# Altium PCB X3_Developer_RF.PcbDoc (continued)
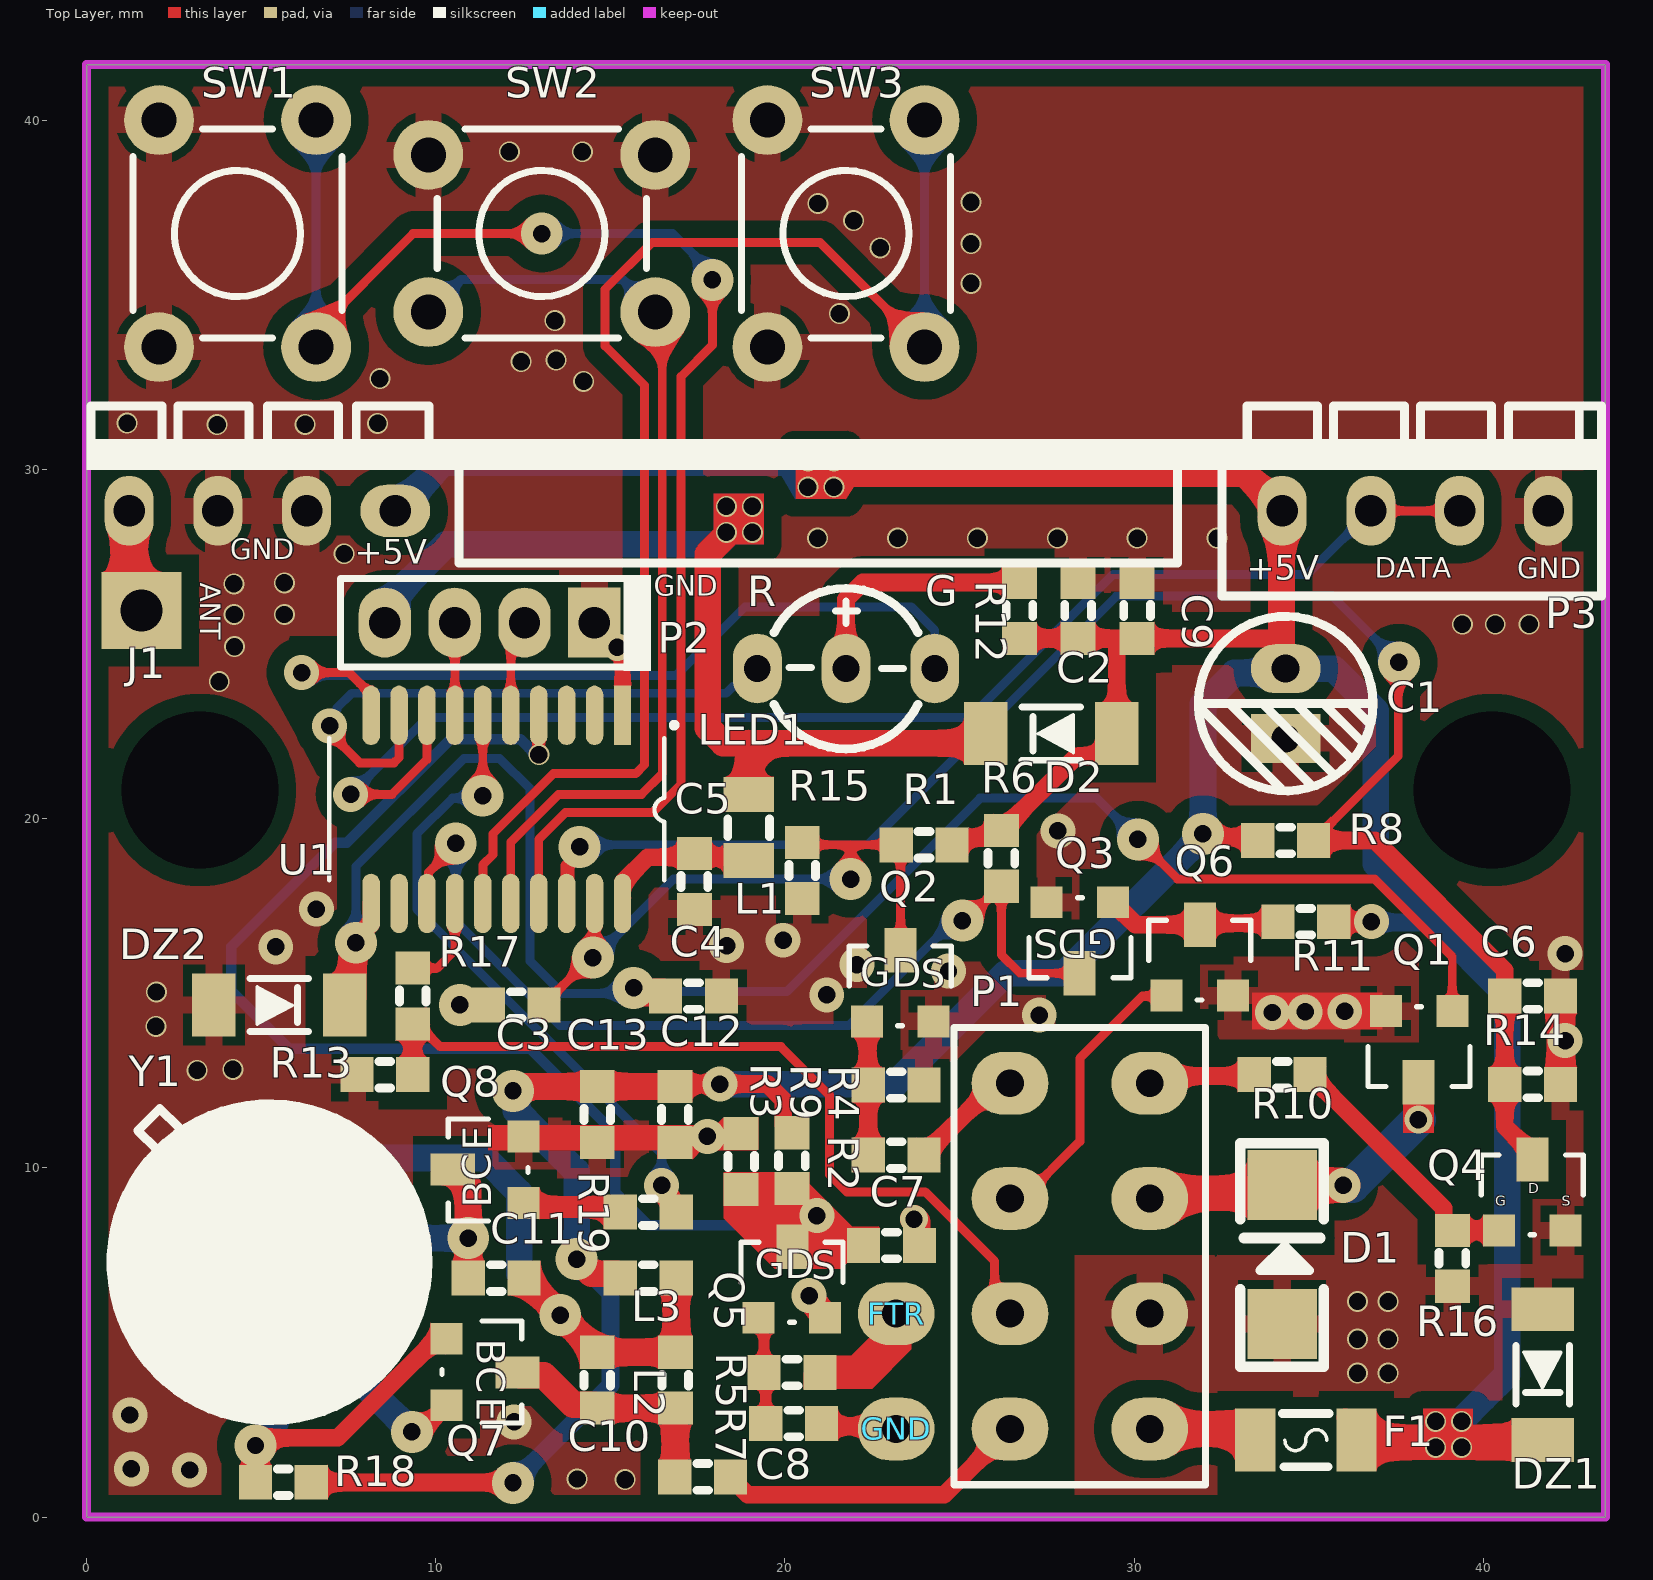
[diagram p0: Top Layer view]
## Part data
C1: library part Cap_Electrical
C2 C3 C4 C5 C6 C7 C8 C9 C10 C11 C12 C13: library part Cap
D1 D2: library part Diode
  D1: Component ID=000448
DZ1 DZ2: library part Diode_Zener
F1: library part FUSE
J1: library part Socket, "Socket", LatestRevisionDate=17-Jul-2002, LatestRevisionNote="Re-released for DXP Platform.", Publisher="Altium Limited"
L1 L2 L3: library part Inductor
LED1: library part LED_ComA
P1: library part "Header 8", "Header, 4-Pin", LatestRevisionDate=17-Jul-2002, LatestRevisionNote="Re-released for DXP Platform.", Publisher="Altium Limited"
P2: library part "Header 4", LatestRevisionDate=17-Jul-2002, LatestRevisionNote="Re-released for DXP Platform.", Publisher="Altium Limited"
P3: library part RXB6, "Receiver_315", LatestRevisionDate=17-Jul-2002, LatestRevisionNote="Re-released for DXP Platform.", Publisher="Altium Limited"
Q1 Q6: library part NPN_Digital, Component ID=000498
Q2 Q3 Q4: library part MOSFET_N, ComponentLink1Description="Manufacturer Link", ComponentLink1URL=http://www.irf.com/, ComponentLink2Description=Datasheet, ComponentLink2URL=http://www.irf.com/product-info/datasheets/data/irf2807.pdf, DatasheetVersion=May-1998, LatestRevisionDate=17-Jul-2002, LatestRevisionNote="Re-released for DXP Platform.", Note="Pin 2 is electrically connected to pin 4.", PackageDescription="TO, Thru-Hole, Vertical, Heatsink Mounted; 3 In-Line Leads; Pitch 2.54 mm", PackageReference=TO-220AB, PackageVersion=Feb-1997, Published=8-Jun-2000, Publisher="Altium Limited", Sim Note="Thermal Model provided is not called on from main Subckt."
  Q3: Component ID=002048
Q5: library part MOSFET_N, "Si2302CDS_SOT23", ComponentLink1Description="Manufacturer Link", ComponentLink1URL=http://www.irf.com/, ComponentLink2Description=Datasheet, ComponentLink2URL=http://www.irf.com/product-info/datasheets/data/irf2807.pdf, DatasheetVersion=May-1998, LatestRevisionDate=17-Jul-2002, LatestRevisionNote="Re-released for DXP Platform.", Note="Pin 2 is electrically connected to pin 4.", PackageDescription="TO, Thru-Hole, Vertical, Heatsink Mounted; 3 In-Line Leads; Pitch 2.54 mm", PackageReference=TO-220AB, PackageVersion=Feb-1997, Published=8-Jun-2000, Publisher="Altium Limited", Sim Note="Thermal Model provided is not called on from main Subckt."
Q7 Q8: library part NPN
R1 R2 R3 R4 R5 R6 R7 R8 R9 R10 R11 R12 R13 R14 R15 R16 R17 R18 R19: library part RES
  R6 R11: Component ID=000091
  R13: Component ID=000098
  R17: Component ID=000154
SW1: library part SW
SW2 SW3: library part SW_Right
U1: library part HT66F019
Y1: library part Saw_Filter, "SAWFILTER"
FTR GND: MANF=MANF, MANF_P#=MANF_P#

## Free pads (board coordinates)
  round 0 hole 4.5: 4(40.25,20.82) 5(3.25,20.82)

## Via types
v1: diameter 0.6, hole 0.5, Top Layer to Bottom Layer, tented both sides, 59 vias
v2: diameter 1, hole 0.5, Top Layer to Bottom Layer, tented both sides, 28 vias
v3: diameter 1.2, hole 0.5, Top Layer to Bottom Layer, tented both sides, 21 vias
v4: diameter 0.8, hole 0.5, Top Layer to Bottom Layer, tented both sides, 3 vias

## Nets (pads, with @x,y where several pads share a name; then routed paths per layer and width w, separated by ;. In a path a pad name is that pad's centre, name@x,y a point inside that pad or via, vN(x,y) a via of type N, cw(c..) or ccw(c..) an arc to the next point about the centre after c; other vN are vias at no path point)
ANT1: C8.2 P1.7 | length 9
  Top Layer w0.5: C8.2 18.444,1.129 18.937,0.636 24.559,0.636 P1.7
DATA_IN: P3.6 P3.7 U1.8 | length 41.5
  Top Layer w0.254: v2(7.564,20.7) 8.749,20.7 9.75,21.7 U1.8 ; P3.6 P3.7
  Bottom Layer w0.254: v2(7.564,20.7) 9.762,22.897 25.299,22.897 29.402,27 34.962,27 P3.6 P3.7
DATA_OUT: R19.1 U1.6 | length 18.5
  Top Layer w0.254: v3(11.343,20.659) 11.346,20.663 11.346,22.958 U1.6
  Top Layer w0.7: v2(16.472,9.504) R19.1
  Bottom Layer w0.254: v3(11.343,20.659) 11.277,20.593 10.486,20.593 9.46,19.567 9.46,17.413 16.472,10.402 v2(16.472,9.504)
FLASHER_INPUT: C7.2 Q5.3 R3.1 R9.2 U1.4 | length 34.5
  Top Layer w0.3: U1.4 U1.4 12.951,21.837 v1(12.952,21.836)
  Bottom Layer w0.3: v1(12.952,21.836) 12.871,21.836 12.423,22.284 10.427,22.284 7.454,19.311 7.122,19.311 4.148,16.337 4.148,15.068 5.798,13.419 12.703,13.419 15.143,10.979 15.143,9.298 16.086,8.355 20.445,8.355 20.726,8.635 v2(20.915,8.635)
GND: C1.2 C2.1 C3.1 C4.1 C5.1 C6.1 C7.1 C9.1 C12.1 C13.1 D1.1 DZ1.1 DZ2.1 GND.1 P1.6 P2.4 P3.2 P3.3 P3.8 Q1.2 Q2.2 Q3.2 Q4.2 Q5.2 Q6.2 Q8.2 R3.2 R4.2 R7.2 R13.1 R14.2 R15.2 R16.2 SW1.1 SW2.1 SW3.1 U1.1 | length 11.1
  Top Layer w0.457: P2.4 P2.4@14.542,25.341 ; v4(15.199,24.911) P2.4@14.998,24.911 ; U1.1 15.349,24.561 P2.4@14.998,24.911 ; P2.4@14.542,25.341 P2.4@14.721,25.162 ; P2.4@14.542,25.341 14.542,25.162 P2.4@14.721,25.162 ; P2.4@14.721,25.162 14.971,24.911 P2.4@14.998,24.911 ; P2.4@14.721,25.162 14.748,25.162 P2.4@14.998,24.911
  Top Layer w0.508: v3(10.694,14.671) 10.697,14.668 11.501,14.668 C3.1 ; R3.2@18.724,10.983 R3.2 ; R7.2 21.128,2.603 23.11,2.603 GND.1 ; C6.1 C6.1@42.221,14.917
  Top Layer w0.8: v2(20.691,6.342) Q5.2 ; v4(23.697,8.532) 23.776,8.454 23.776,7.855 C7.1 ; R14.2 42.214,14.91 C6.1@42.221,14.917
  other v1: 14.047,1.092 15.424,1.072 36.398,4.123 37.278,4.123 36.398,5.1 37.278,5.1 36.398,6.176 37.278,6.176 3.165,12.793 4.19,12.82 1.986,14.057 1.998,15.039 3.801,23.928 4.237,24.929 39.402,25.571 40.344,25.571 41.315,25.571 4.228,25.85 5.664,25.85 4.219,26.726 5.664,26.753 7.378,27.59 20.939,28.036 23.226,28.036 25.513,28.036 27.8,28.036 30.088,28.036 32.375,28.036 3.742,31.29 6.258,31.296 1.16,31.333 8.336,31.323 14.235,32.528 8.399,32.606 12.447,33.09 13.45,33.136 13.415,34.269 21.561,34.465 25.33,35.334 22.726,36.349 25.33,36.473 21.97,37.131 20.944,37.62 25.33,37.657 12.108,39.103 14.203,39.103
  other v2: 2.952,1.351 1.285,1.381 12.247,2.727 1.244,2.925 17.78,10.906 42.346,13.648 27.285,14.375 33.956,14.452 34.897,14.47 36.034,14.484 21.199,14.957 24.685,15.639 22.063,15.821 42.346,16.139 5.42,16.33 18.329,16.367 19.948,16.522 6.585,17.41 27.816,19.652
LED1: LED1.2 U1.10 | length 22.7
  Top Layer w0.254: v2(6.158,24.186) 7.52,24.186 8.15,23.556 U1.10
  Bottom Layer w0.254: v2(6.158,24.186) 6.239,24.105 16.892,24.105 18.858,26.07 23.616,26.07 24.29,25.395 LED1.2@24.29,24.785
LED2: LED1.1 U1.9 | length 17
  Top Layer w0.254: v2(6.963,22.662) 6.963,22.46 7.465,21.958 7.821,21.601 8.801,21.601 8.95,21.75 U1.9
  Bottom Layer w0.254: v2(6.963,22.662) 6.963,22.918 7.17,23.125 7.17,23.172 7.595,23.597 18.321,23.597 18.508,23.783 18.681,23.783 19.075,24.178 19.075,24.35 LED1.1@19.21,24.35
"LOCK TRIG": P1.2 R10.2 | length 3.1
  Top Layer w0.508: P1.2 30.655,12.633 R10.2@33.426,12.633
"LOCK TRIG_INPUT": C6.2 Q4.3 R8.2 R14.1 U1.18 | length 47.9
  Top Layer w0.254: R8.2 35.142,19.402 35.49,19.75 35.515,19.75 37.564,21.798 37.564,24.456 v3(37.584,24.476)
  Top Layer w0.4: U1.18 13.769,17.596 13.769,18.644 14.119,18.994 v3(14.119,19.193)
  Top Layer w0.508: R8.2 36.901,19.377 40.614,15.664 R14.1 40.614,11.194 41.184,10.625 41.211,10.625 41.414,10.422 Q4.3
  Bottom Layer w0.254: v3(14.119,19.193) 14.18,19.255 22.375,19.255 29.501,26.381 35.68,26.381 v3(37.584,24.476)
M.VCC: C5.2 L1.2 U1.20 | length 4.1
  Top Layer w0.5: U1.20 15.349,18.177 16.075,18.903 17.129,18.903 17.407,18.903 17.736,18.903 18.426,18.903 L1.2@18.529,18.8
NetC8_1: C8.1 C10.2 L2.2 Q7.3 | length 6.9
  Top Layer w0.762: Q7.3 12.416,4.067 13.091,4.067 13.943,3.215 14.532,3.215 C10.2 L2.2 C8.1@16.861,1.172
NetC10_1: C10.1 C11.2 L2.1 L3.2 Y1.1 | length 22.2
  Top Layer w0.762: C11.2@12.628,6.727 v3(13.568,5.787) C10.1@14.507,4.848 ; C10.1 L2.1 ; L2.1@16.886,4.746 L3.2
  Bottom Layer w0.762: Y1.1 5.711,10.284 11.409,10.284 12.392,9.301 12.392,6.963 v3(13.568,5.787)
NetC11_1: C11.1 Q7.2 Q8.3 Y1.3 | length 12.5
  Top Layer w0.508: v3@9.68,2.575 Q7.2
  Top Layer w0.762: Q8.3@10.74,9.702 10.932,9.509 v3(10.932,7.989) C11.1
  Bottom Layer w0.762: v3@9.307,2.443 8.024,3.726 Y1.3 8.494,7.389 9.095,7.989 v3(10.932,7.989)
  other v3: 9.319,2.443
NetF1_1: F1.1 P1.8 | length 3.3
  Top Layer w1: P1.8 33.395,2.526 33.47,2.451 F1.1
NetFTR_1: FTR.1 R5.2
NetJ1_1: J1.1 P3.1 | length 5
  Top Layer w1.016: J1.1@1.221,26.319 P3.1
  Bottom Layer w1.016: J1.1@1.221,26.319 P3.1
NetLED1_3: LED1.3 R12.2 | length 6.9
  Top Layer w0.508: LED1.3@21.75,24.569 21.75,26.284 22.232,26.766 R12.2
NetQ2_1: Q2.1 R2.1 R4.1 | length 3.8
  Top Layer w0.508: Q2.1 22.367,14.179 22.367,12.394 R4.1 R2.1
NetQ3_1: Q3.1 Q6.3 R11.1 | length 5
  Top Layer w0.508: Q3.1 30.044,16.967 Q6.3 31.932,17.009 34.078,17.009 R11.1
NetQ4_1: Q4.1 R10.1 R16.1 | length 7.5
  Top Layer w0.508: R10.1 35.041,12.646 35.262,12.425 35.287,12.425 38.868,8.845 38.868,8.433 R16.1@39.089,8.212 ; R16.1 R16.1@39.089,8.212 ; Q4.1 39.294,8.212 R16.1@39.089,8.212
NetQ5_1: Q5.1 R5.1 R7.1 | length 3.1
  Top Layer w0.3: Q5.1 19.402,5.559 R5.1 19.451,4.094 R7.1
NetQ7_1: Q7.1 R18.1 Y1.2 | length 10.3
  Top Layer w0.508: v3@5.064,2.277 7.193,2.277 Q7.1@10.159,5.242
  Top Layer w0.762: R18.1 v3@4.839,2.051
  Bottom Layer w0.762: v3(4.839,2.051) 4.839,2.136 5.42,2.717 Y1.2
NetQ8_1: Q8.1 R19.2 | length 2.5
  Top Layer w0.635: Q8.1@12.643,8.878 R19.2@15.144,8.878
PA0/ICPDA: P2.3 U1.5 | length 2.3
  Top Layer w0.254: U1.5@12.15,23 P2.3@12.15,25.29
PA2/ICPCK: P2.2 U1.7 | length 2.7
  Top Layer w0.254: P2.2 10.55,25.61 U1.7
RX: Q3.3 R6.1 U1.13 | length 27.2
  Top Layer w0.254: U1.13 9.797,17.624 9.797,18.465 10.573,19.242 v3(10.573,19.293) ; v3(25.083,17.083) 25.19,17.083 26.175,18.069 R6.1 26.2,16.111 26.734,15.577 Q3.3
  Bottom Layer w0.254: v3(10.573,19.293) 10.573,17.062 13.559,14.076 21.82,14.076 24.828,17.083 v3(25.083,17.083)
RX_OUT: P1.3 Q6.1 | length 8.3
  Top Layer w0.254: P1.3 26.815,9.126 28.449,10.761 28.449,13.136 30.235,14.922 30.912,14.922 Q6.1
SW1: SW1.2 U1.17 | length 41.5
  Top Layer w0.254: SW1.2@6.576,33.51 6.576,33.982 9.354,36.76 v3(13.038,36.76) ; U1.17 12.95,19.412 13.715,20.177 16.206,20.177 17.026,20.997 17.026,32.665 17.924,33.563 v3(17.924,35.431)
  Bottom Layer w0.254: SW1.2@6.576,33.51 SW1.2@6.576,40.01 ; v3(13.038,36.76) 16.783,36.76 17.924,35.618 v3(17.924,35.431)
SW2: SW2.2 U1.16 | length 27.5
  Top Layer w0.254: U1.16 12.15,19.33 13.519,20.7 15.894,20.7 16.488,21.294 16.488,34.31 SW2.2@16.288,34.51
  Bottom Layer w0.254: SW2.2@9.788,34.51 10.721,35.443 15.355,35.443 SW2.2@16.288,34.51
SW3: SW3.2 U1.15 | length 38.8
  Top Layer w0.254: U1.15 11.35,18.682 11.642,18.974 11.642,19.571 13.365,21.294 15.728,21.294 15.98,21.546 15.98,32.411 14.848,33.543 14.848,35.16 16.188,36.499 21.011,36.499 SW3.2@24,33.51
  Bottom Layer w0.254: SW3.2@24,33.51 SW3.2@24,40.01
TRUNK: D1.2 P1.4 Q1.3 | length 8.6
  Top Layer w1: P1.4 30.602,9.279 34.011,9.279 D1.2 34.247,9.504 v2(35.989,9.504)
  Bottom Layer w1: v2(35.989,9.504) 36.257,9.504 v4(38.14,11.387)
TRUNK_OUTPUT: C4.2 DZ2.2 Q1.1 U1.11 | length 50.5
  Top Layer w0.254: v3(30.111,19.411) 31.244,18.278 36.883,18.278 39.114,16.047 Q1.1
  Top Layer w0.5: v3(7.716,16.449) 7.716,16.544 8.15,16.977 U1.11
  Top Layer w0.8: DZ2.2 7.622,14.89 7.622,16.246 7.716,16.34 v3(7.716,16.449) ; v3(15.667,15.156) 15.775,15.156 15.907,15.024 16.509,15.024 16.584,14.949 C4.2
  Bottom Layer w0.254: v3(7.716,16.449) 7.716,18.638 10.801,21.723 11.835,21.723 12.703,20.855 12.703,15.922 13.625,15 15.573,15 v3@15.667,15.094 ; v3@15.772,15.051 20.047,15.051 25.589,20.593 28.928,20.593 v3(30.111,19.411)
TX: R17.1 U1.14 | length 2.8
  Top Layer w0.254: R17.1 10.043,15.724 10.55,16.231 U1.14 U1.14@10.538,17.565
TX_OUT: P1.5 R13.2 R17.2 | length 24.4
  Top Layer w0.254: R17.2 9.368,14.124 R17.2@9.423,14.179 ; R17.2@9.716,14.472 R17.2@9.423,14.179 ; P1.5 26.004,6.272 26.004,7.33 24.02,9.313 21.775,9.313 21.275,9.814 21.275,12.087 19.887,13.475 10.126,13.475 R17.2@9.423,14.179
  Top Layer w0.5: R13.2 R17.2
"UNLOCK TRIG": P1.1 R2.2 | length 3.3
  Top Layer w0.508: R2.2@24.106,10.487 P1.1@26.045,12.426
  Top Layer w0.762: R2.2 23.987,10.393 24.081,10.487 R2.2@24.106,10.487 ; P1.1@26.045,12.426 P1.1
"UNLOCK TRIG_INPUT": C3.2 Q2.3 R1.2 R15.1 U1.19 | length 18.5
  Top Layer w0.254: C3.2 13.105,14.69 14.438,16.023 v3(14.5,16.023) ; v3@14.53,16.001 14.54,16.01 14.54,17.567 U1.19 ; R15.1@20.222,19.16 R15.1@20.251,19.131 ; R15.1@20.498,19.255 21.883,19.255 ; v3(21.883,18.274) 21.883,19.255 ; R1.2@22.852,19.255 21.883,19.255 ; Q2.3 R1.2@23.313,19.515
  Bottom Layer w0.254: v3(14.5,16.023) 14.553,16.023 16.803,18.274 v3(21.883,18.274)
VCC: C1.1 C2.2 C9.2 C12.2 C13.2 D2.1 DZ1.2 F1.2 L3.1 P3.4 P3.5 R1.1 R6.2 R8.1 R9.1 R11.2 R12.1 R18.2 | length 136.6
  Top Layer w0.508: R18.2 6.448,0.991 12.204,0.991 v3(12.213,0.981) ; 16.288,12.333 16.358,12.403 v2(18.137,12.403) 19.5,12.403 19.955,11.948 19.955,11.229 20.176,11.008 R9.1 ; R1.1 24.994,19.462 25.993,19.462 R6.2 ; R6.2@26.213,19.656 28.349,21.792 29.134,21.792 29.505,22.163 D2.1 29.505,25.059 29.398,25.166 ; R12.1 C2.2 29.398,25.166 ; v3(31.973,19.567) 32.068,19.472 33.447,19.472 R8.1 ; 34.221,25.29 34.097,25.166 C9.2 29.398,25.166 ; R11.2 35.721,17.053 36.796,17.053 v2(36.797,17.054) ; F1.2@36.049,2.853 36.37,2.532 36.37,2.249 F1.2
  Top Layer w0.762: v3(12.213,12.207) 12.332,12.207 12.457,12.333 16.288,12.333 ; v3(14.037,7.389) 14.461,6.965 L3.1@15.192,6.965 ; 20.998,29.879 33.181,29.879 33.622,29.438 33.75,29.438 34.241,28.947 P3.5 34.221,28.799 34.221,25.29 34.221,24.42 C1.1
  Top Layer w1.016: F1.2@36.355,2.076 36.422,2.143 38.635,2.143 39.379,2.143 41.64,2.143 DZ1.2
  Bottom Layer w0.508: v3(12.213,0.981) 15.007,3.775 15.007,6.419 v3(14.037,7.389) ; v2@36.775,17.032 v2(36.797,17.054) ; v2@36.797,17.032 38.608,17.032 38.616,17.024
  Bottom Layer w0.762: P3.4 8.892,28.819 9.46,29.388 9.46,29.438 10.216,30.194 v1@20.612,30.194 ; v3(12.213,12.207) 12.297,12.123 12.297,11.642 14.037,9.902 v3(14.037,7.389) ; v2(18.137,12.403) 23.155,12.403 26.333,15.58 28.027,15.58 31.973,19.526 v3(31.973,19.567) 31.973,23.279 32.871,24.177 34.22,24.177 C1.1 34.345,24.296 35.722,24.296 36.924,23.093 36.924,18.716 38.608,17.032 ; 38.616,17.024 40.682,14.958 40.682,4.075 40.014,3.408 v1@39.347,2.741
  other v1: 38.635,1.997 39.379,1.997 38.635,2.741 39.379,2.741 20.661,29.498 21.405,29.498 20.661,30.242 21.405,30.242
VCC.PRO: D2.2 L1.1 P2.1 | length 27.5
  Top Layer w0.762: v1@18.529,28.321 17.788,27.58 17.788,22.609 18.235,22.163 18.668,22.163 18.961,22.163 ; L1.1 18.961,22.163 ; D2.2 25.755,22.407 25.511,22.163 18.961,22.163
  Bottom Layer w0.762: P2.1 8.911,25.987 P2.1@8.911,26.473 ; P2.1@8.657,26.219 10.295,27.856 18.065,27.856 v1@18.523,28.315
  other v1: 18.324,28.203 19.068,28.203 18.324,28.947 19.068,28.947
pads on no net: U1.2 U1.3 U1.12

## Polygon pours and split planes (outlines as drawn)
GND on Top Layer "TOP POLY" (solid, remove dead copper, pour order 0): 0,0 0,41.6 43.5,41.6 43.5,0
GND on Bottom Layer "BOT POLY" (solid, remove dead copper, pour order 1): -0.038,0 -0.038,41.6 43.462,41.6 43.462,0

## Keep-outs
Keep-Out Layer:
  lines w0.254: 0,0 43.5,0 43.5,41.6 0.005,41.6 0,41.6 0,0

## Other copper
Top Layer:
  rectangle net TRUNK: 37.701,11.008 38.585,12.52
  rectangle net GND: 33.38,13.96 37.121,15.024
  rectangle net GND: 11.494,10.505 19.201,11.229
  rectangle net GND: 11.71,11.219 19.201,11.229
  rectangle net VCC: 38.272,1.65 39.713,3.106
  rectangle net VCC: 20.298,29.152 21.739,30.607
  rectangle net VCC.PRO: 17.961,27.856 19.402,29.311
  pour cut-out: 32.387,0.799 32.386,0.798 32.386,0.611 32.635,0.611 32.653,0.593 32.653,0.83
  pour cut-out: 40.55,5.079 40.546,5.075 40.546,3.348 40.784,3.348 40.908,3.348 42.887,3.348 42.887,5.075
  pour cut-out: 32.403,7.51 32.418,7.495 35.75,7.495 35.75,7.979 35.767,7.996 35.738,8.025 32.369,8.025
  pour cut-out: 35.272,3.442 31.898,3.442 31.887,3.431 31.887,3.248 35.268,3.248 35.273,3.252
  pour cut-out: 37.183,13.602 37.181,13.604 36.015,13.604 36.015,13.265 35.989,13.24 37.184,13.24
  pour cut-out: 38.148,15.456 38.148,16.33 38.478,16.001 38.478,15.456
  pour cut-out: 27.508,17.145 27.524,17.129 28.597,17.129 28.597,16.952 28.54,17.009 27.497,17.009
  pour cut-out: 7.176,19.106 7.164,19.118 7.164,19.943 7.477,19.943 7.536,19.884 7.494,19.843 7.494,19.206
  pour cut-out: 6.595,21.265 5.243,23.76 5.482,24.178 6.739,21.625
  pour cut-out: 24.257,15.824 24.283,15.824 24.558,16.099 24.75,15.908 25.626,15.908 25.626,16.157 25.57,16.213 25.513,16.156 24.287,16.156
  pour cut-out: 20.273,14.107 20.288,14.122 21.39,14.122 21.39,13.738 21.362,13.71 21.259,13.814 20.743,13.814
  region net NetFTR_1: 20.559,4.626 20.563,4.622 21.903,4.622 22.837,5.556 22.833,5.56 22.833,6.162 23.575,6.162 23.603,6.189 23.626,6.167 23.626,4.803 22.503,3.68 20.54,3.68
  pour cut-out: 22.812,3.412 22.819,3.405 23.585,3.405 23.585,3.709 23.55,3.743 23.523,3.716 22.792,3.716
  region net FLASHER_INPUT: 18.251,9.883 18.251,8.564 19.705,7.11 21.61,7.11 21.791,7.291 22.72,7.291 22.72,8.268 22.726,8.274 22.675,8.325 21.93,8.321 21.745,8.506 20.703,9.548 20.703,9.879
  region net GND: 16.354,11.205 16.357,11.208 18,11.208 18.247,11.455 18.256,11.446 19.239,11.446 19.239,10.539 19.215,10.516 17.616,10.516 17.355,10.254 17.351,10.258 16.346,10.258
  pour cut-out: 13.188,15.673 13.185,15.675 13.185,16.086 13.491,16.086 13.502,16.075 13.502,15.68
  pour cut-out: 10.914,16.079 13.418,16.079 13.422,16.075 13.424,16.078 13.424,16.33 10.901,16.33 10.899,16.332
  pour cut-out: 38.667,7.244 38.667,8.02 38.914,8.02 38.924,7.248 38.914,7.238
  pour cut-out: 37.438,3.442 37.458,3.423 37.874,3.423 37.874,3.16 37.88,3.154 37.435,3.154
  pour cut-out: 39.631,11.386 39.484,11.239 39.484,9.177 39.89,9.177 39.941,9.228 39.851,9.318 39.851,11.386
  pour cut-out: 29.638,19.215 29.638,18.566 30.149,18.566 30.149,19.037 30.13,19.055
  pour cut-out: 29.148,26.452 29.169,26.473 29.339,26.473 29.339,26.149 29.378,26.11 29.367,26.1 29.141,26.1
  pour cut-out: 30.268,24.183 30.285,24.166 30.638,24.166 30.638,23.846 30.268,23.846
  pour cut-out: 6.808,22.651 6.808,21.29 6.829,21.269 7.053,21.269 7.053,22.406 6.976,22.483
  pour cut-out: 7.31,19.229 7.173,19.091 7.173,15.665 7.519,15.665 7.484,15.699 7.484,19.229
  pour cut-out: 33.137,16.044 33.131,16.05 32.841,16.05 32.841,16.275 32.809,16.307
  pour cut-out: 32.131,14.553 31.811,14.553 31.811,14.262 32.118,14.262 32.166,14.213
  pour cut-out: 9.343,8.991 9.343,6.074 9.924,6.074 9.932,6.066 10.043,6.176 10.043,8.991
  pour cut-out: 19.02,34.67 19.02,35.948 18.988,35.916 18.74,35.916 18.74,34.86 18.638,34.758 18.638,34.598 18.667,34.598 18.74,34.525
  pour cut-out: 18.678,25.815 20.98,25.815 20.997,25.799 20.997,25.532 18.693,25.532 18.666,25.506
  pour cut-out: 27.737,14.681 27.737,13.788 27.731,13.783 28.597,13.783 28.597,14.679 28.604,14.685
  pour cut-out: 8.443,27.123 8.447,27.126 13.538,27.126 13.538,26.758 8.808,26.758
  pour cut-out: 27.867,14.239 27.912,14.285 32.403,14.285 32.403,7.51 32.342,7.449 32.29,7.501 28.144,7.501
  pour cut-out: 24.633,12.811 25.848,14.026 28.058,14.026 28.295,13.79 28.295,0.636 24.689,0.636 24.618,0.706
  pour cut-out: 5.92,29.994 5.92,30.24 5.767,30.24 5.767,29.861
  pour cut-out: 4.165,29.985 4.507,29.985 4.507,29.733
  pour cut-out: 7.026,29.523 7.688,29.523 7.688,28.967 7.128,28.967
  pour cut-out: 7.026,28.116 7.688,28.116 7.688,28.672 7.128,28.672
  pour cut-out: 5.814,25.241 7.284,25.241 7.284,24.692
  pour cut-out: 42.265,27.654 42.941,27.654 42.941,28.438
  pour cut-out: 42.265,29.985 42.902,29.985 42.902,29.299
  pour cut-out: 39.321,27.31 34.92,27.31 34.92,28.456 35.575,28.456
  pour cut-out: 39.321,30.328 34.342,30.328 34.342,29.455 38.161,29.455
  pour cut-out: 41.96,11.64 41.597,11.64 41.597,11.387 41.96,11.387
  region net VCC: 21.739,29.151 21.739,29.593 22.026,29.593
  region net VCC: 21.739,30.607 21.739,30.165 22.026,30.165
Bottom Layer:
  rectangle net VCC: 38.272,1.65 39.713,3.106
  rectangle net VCC: 20.298,29.152 21.739,30.607
  rectangle net VCC.PRO: 17.961,27.856 19.402,29.311
  pour cut-out: 36.039,18.638 36.051,18.627 36.051,17.588 36.417,17.954 36.417,18.646
  pour cut-out: 6.595,21.265 5.243,23.76 5.482,24.178 6.739,21.625
  pour cut-out: 15.755,6.567 15.755,7.811 15.771,7.826 15.067,8.53 14.957,8.53 14.957,7.536 14.906,7.486
  pour cut-out: 6.348,17.121 6.705,16.764 6.717,16.764 6.717,16.947 6.814,17.045 6.506,17.353 6.506,17.396
  pour cut-out: 8.741,16.873 9.099,16.873 9.107,16.881 9.081,16.906 9.081,17.041 8.662,17.041 8.659,17.037
  pour cut-out: 23.741,26.707 28.177,26.707 28.177,26.399 27.904,26.126 27.694,26.336 24.098,26.336
  pour cut-out: 23.981,7.287 24.646,7.287 24.657,7.276 24.657,6.743 24.634,6.743 24.573,6.681 24.223,7.031 24.052,7.031 24.052,7.221 23.974,7.299
  pour cut-out: 24.608,4.398 24.53,4.477 21.585,4.477 21.585,6.627 21.574,6.638 22.223,7.287 23.981,7.287 24.048,7.22 24.048,6.828
  pour cut-out: 8.146,17.408 8.523,17.408 8.526,17.412 8.416,17.522 8.416,17.612 8.129,17.612 8.126,17.608
  pour cut-out: 14.766,10.893 14.784,10.875 15.053,10.875 15.053,10.974 15.047,10.98 15.038,10.971 14.701,10.971
  pour cut-out: 24.825,16.005 24.825,15.934 25.21,15.55 25.377,15.717 25.377,16.034 25.13,16.281 24.761,16.281
  pour cut-out: 35.609,22.735 35.626,22.718 36.061,22.718 36.061,23.077 36.067,23.083 36.02,23.129 35.592,23.129
  pour cut-out: 33.088,21.345 33.057,21.376 32.607,21.376 32.575,21.408 32.575,21.571 33.108,21.571
  pour cut-out: 32.676,24.426 32.676,25.774 32.658,25.792 32.892,25.792 32.892,24.435 32.907,24.42
  pour cut-out: 7.272,25.618 6.895,25.241 6.5,25.241 6.5,25.082 6.809,24.773 7.283,25.247 7.283,25.368
  pour cut-out: 27.867,14.239 27.912,14.285 32.403,14.285 32.403,7.51 32.342,7.449 32.29,7.501 28.144,7.501
  pour cut-out: 28.29,4.201 32.314,4.201 32.316,4.203 32.403,4.116 32.403,0.264 28.345,0.264 28.295,0.213
  pour cut-out: 24.633,12.811 25.848,14.026 28.058,14.026 28.295,13.79 28.295,0.636 24.689,0.636 24.618,0.706
  pour cut-out: 18.582,33.898 17.494,33.898 17.494,34.834 18.219,34.834
  pour cut-out: 5.92,29.994 5.92,30.328 5.639,30.328 5.639,29.733
  pour cut-out: 7.128,29.597 7.716,29.597 7.716,29.366 7.224,29.366
  pour cut-out: 7.128,28.042 7.716,28.042 7.716,28.272 7.224,28.272
  pour cut-out: 4.148,29.98 4.448,29.98 4.448,29.859 4.232,29.859
  pour cut-out: 15.476,26.166 15.532,26.967 14.81,26.967
  pour cut-out: 33.032,28.519 33.032,27.636 33.299,27.636 33.299,27.763
  pour cut-out: 39.321,27.31 36.078,27.31 36.078,28.183 37.942,28.183
  pour cut-out: 34.241,30.328 39.321,30.328 39.321,29.493 35.358,29.493 35.358,29.582
  pour cut-out: 42.253,29.985 42.914,29.985 42.914,29.305
  pour cut-out: 42.252,27.655 42.904,27.655 42.904,28.39
  region net VCC: 20.298,29.152 20.298,29.861 19.882,29.861
  region net VCC: 20.298,30.607 20.298,30.165 20.039,30.165

## Silkscreen, mask and mechanical layers (free items; w line width, h text height)
Top Overlay:
  rectangle: 15.384,24.238 16.164,26.987
  region: 5.24,2.76 ccw(c5.24,7.299) 9.778,7.299 ccw(c5.24,7.299) 5.24,11.837 ccw(c5.24,7.299) 0.702,7.299 ccw(c5.24,7.299)
  lines w0.203: 24.849,0.926 32.049,0.926
  text "GND" at 16.245,26.185 h1
Bottom Overlay:
  region: 37.473,40.399 ccw(c38.574,36.621) 34.981,38.225 34.487,38.226 cw(c37.37,37.202) 35.636,39.723 cw(c38.305,36.302) 37.143,40.482 cw(c38.247,37.379) 39.351,40.482 ccw(c38.544,37.464)
  region: 40.942,38.512 ccw(c38.431,37.166) 37.714,39.924 ccw(c38.792,36.008) 35.471,38.346 cw(c38.716,36.746) 36.597,39.678 cw(c38.973,35.63) 37.825,40.182 cw(c38.673,37.173) 40.747,39.511 cw(c38.654,37.548) 41.357,38.513
  region: 40.704,35.868 ccw(c40.305,36.542) 41.069,36.373 ccw(c40.192,36.467) 40.708,37.183 ccw(c40.239,37.915) 41.09,37.736 ccw(c40.161,37.736) 40.221,38.664 39.169,38.664 39.169,38.082 40.025,38.082 cw(c39.907,37.2) 40.248,38.021 cw(c40.156,37.808) 40.388,37.803 cw(c40.06,37.835) 40.029,37.507 39.605,37.507 39.605,36.834 39.92,36.834 cw(c39.858,35.962) 40.18,36.775 cw(c40.095,36.493) 40.386,36.539 cw(c40.085,36.558) 40.065,36.257 39.603,36.257 39.603,35.654 39.951,35.654 ccw(c39.854,37.422)
  region: 35.995,35.869 cw(c36.394,36.542) 35.63,36.373 cw(c36.507,36.468) 35.991,37.183 cw(c36.459,37.915) 35.609,37.737 cw(c36.538,37.737) 36.477,38.664 37.53,38.664 37.53,38.082 36.674,38.082 ccw(c36.791,37.201) 36.45,38.022 ccw(c36.543,37.809) 36.311,37.804 ccw(c36.638,37.835) 36.67,37.507 37.094,37.507 37.094,36.834 36.779,36.834 ccw(c36.84,35.963) 36.519,36.775 ccw(c36.603,36.493) 36.313,36.539 ccw(c36.614,36.559) 36.634,36.258 36.634,36.257 37.095,36.257 37.095,35.654 36.747,35.654 cw(c36.845,37.422)
  region: 35.756,35.75 ccw(c38.267,37.096) 38.983,34.338 ccw(c37.906,38.254) 41.227,35.916 cw(c37.982,37.516) 40.101,34.584 cw(c37.725,38.632) 38.872,34.08 cw(c38.025,37.089) 35.95,34.751 cw(c38.043,36.715) 35.341,35.749
  region: 39.163,33.815 ccw(c38.062,37.593) 41.656,35.989 42.15,35.988 cw(c39.266,37.012) 41,34.491 cw(c38.332,37.912) 39.494,33.731 cw(c38.389,36.834) 37.285,33.731 ccw(c38.092,36.749)
  region: 38.672,35.656 38.672,36.851 38.226,36.851 38.226,37.488 38.672,37.488 38.672,37.985 ccw(c38.221,37.985) 38.54,38.304 ccw(c38.399,38.162) 38.399,38.363 38.304,38.363 ccw(c38.304,38.162) 38.162,38.304 ccw(c38.481,37.985) 38.03,37.985 38.03,35.656 37.327,35.656 37.327,38.084 37.325,38.084 37.53,38.664 cw(c38.269,37.925) 38.243,38.97 38.459,38.97 cw(c38.433,37.925) 39.173,38.665 39.169,38.664 39.371,38.096 39.373,38.096 39.373,35.656
  lines w0.003: 37.325,38.084 37.53,38.664 ; 39.169,38.664 39.371,38.096
  text "Ver7.4.2" at 33.63,35.726 h1.58
  text "Sep 2023" at 33.731,33.582 h1.5
  text "X3_Developer" at 42.342,31.09 h2.5
  text "UNLOCK_T" at 26.905,10.436 h1.5
  text "LOCK_T" at 32.36,10.436 h1.5
  text "RX" at 26.905,7.153 h1.5
  text "TRUNK" at 32.36,7.163 h1.5
  text "GND" at 32.36,3.842 h1.5
  text "FTR" at 23.647,3.832 h1.5
  text "TX" at 26.905,3.832 h1.5
  text "GND" at 23.647,0.489 h1.5
  text "ANT" at 26.905,0.479 h1.5
  text "VDD" at 32.361,0.479 h1.5
BOT CASE:
  circle w0.254: c21.75,-5.25 r1.5
  circle w0.254: c40.25,20.82 r2
  circle w0.254: c3.25,20.82 r2
  circle w0.254: c40.245,20.808 r3.6
  circle w0.254: c3.25,20.82 r3.6
  region: 40.35,42.1 39.45,42.1 39.45,40.2 40.35,40.2
  region: 40.35,1.4 39.45,1.4 39.45,-0.5 40.35,-0.5
  rectangle: 9.35,40.2 10.25,42.1
  rectangle: 9.35,-0.5 10.25,1.4
  region: 30.5,-1.5 26.4,-1.5 26.4,-2.35 30.5,-2.35
  lines w0.254: 17.99,-2.35 17.99,-6.25 ccw(c21.75,-4.831) 25.51,-6.25 25.51,-2.35 ; -2.35,-1.7 ccw(c-1.7,-1.7) -1.7,-2.35 45.2,-2.35 ccw(c45.2,-1.7) 45.85,-1.7 45.85,43.3 ccw(c45.2,43.3) 45.2,43.95 -1.7,43.95 ccw(c-1.7,43.3) -2.35,43.3 -2.35,-1.7 ; -1.5,-1.5 0.1,-1.5 43.4,-1.5 45,-1.5 45,0.1 45,41.5 45,43.1 43.4,43.1 0.1,43.1 -1.5,43.1 -1.5,41.5 -1.5,0.1 -1.5,-1.5 ; -0.5,-0.5 -0.5,0.65 -0.5,40.95 -0.5,42.1 0.65,42.1 42.85,42.1 44,42.1 44,40.95 44,0.65 44,-0.5 42.85,-0.5 0.65,-0.5 -0.5,-0.5
TOP CASE:
  circle w0.254: c4.326,36.76 r1.65
  circle w0.254: c13.038,36.76 r1.65
  circle w0.254: c21.75,36.76 r1.65
  circle w0.254: c30.462,36.76 r1.65
  circle w0.254: c40.25,20.82 r2.5
  circle w0.254: c3.25,20.82 r2.5
  circle w0.254: c21.75,28.75 r0.6
  circle w0.254: c21.75,24.35 r1.5
  circle w0.254: c39.174,36.76 r1.65
  lines w0.254: 26.4,-2.35 26.4,-0.5 26.449,-0.5 ; 26.4,-1.5 0.1,-1.5 -1.5,-1.5 -1.5,0.1 -1.5,41.5 -1.5,43.1 0.1,43.1 43.4,43.1 45,43.1 45,41.5 45,0.1 45,-1.5 43.4,-1.5 30.5,-1.5 ; 30.497,-0.5 30.5,-0.5 30.5,-2.35 ; -2.35,-1.7 ccw(c-1.7,-1.7) -1.7,-2.35 45.2,-2.35 ccw(c45.2,-1.7) 45.85,-1.7 45.85,43.3 ccw(c45.2,43.3) 45.2,43.95 -1.7,43.95 ccw(c-1.7,43.3) -2.35,43.3 -2.35,-1.7 ; -0.5,-0.5 -0.5,0.65 -0.5,40.95 -0.5,42.1 0.65,42.1 42.85,42.1 44,42.1 44,40.95 44,0.65 44,-0.5 42.85,-0.5 0.65,-0.5 -0.5,-0.5
Mechanical 15:
  text "1mm" at 5.766,46.888 h15

## Dimensions
0,0 to 43.5,0 on Mechanical 15
0,41.6 to 0,0 on Mechanical 15

## Text inside footprints (layer, text, board x,y; h text height)
LED1: Top Overlay "R" at 18.922,25.793 h1.5; Top Overlay "G" at 24.022,25.807 h1.5
P3: Top Overlay "+5V" at 7.678,27.081 h1.2; Top Overlay "GND" at 40.972,26.686 h1; Top Overlay "DATA" at 36.89,26.697 h1; Top Overlay "+5V" at 33.225,26.609 h1.2; Top Overlay "GND" at 4.117,27.231 h1; Top Overlay "ANT" at 3.062,26.766 h1 r270
Q2: Top Overlay "D" at 23.056,14.917 h1.4; Top Overlay "S" at 23.894,14.895 h1.4; Top Overlay "G" at 22.152,14.932 h1.4
Q3: Top Overlay "D" at 28.679,17.099 h1.4 r180; Top Overlay "S" at 27.825,17.088 h1.4 r180; Top Overlay "G" at 29.524,17.1 h1.4 r180
Q4: Top Overlay "D" at 41.287,9.169 h0.5; Top Overlay "S" at 42.252,8.813 h0.5; Top Overlay "G" at 40.347,8.813 h0.5
Q5: Top Overlay "D" at 19.996,6.565 h1.4; Top Overlay "S" at 20.757,6.546 h1.4; Top Overlay "G" at 19.137,6.577 h1.4
Q7: Top Overlay "B" at 10.907,5.103 h1.4 r270; Top Overlay "E" at 10.9,3.454 h1.4 r270; Top Overlay "C" at 10.9,4.32 h1.4 r270
Q8: Top Overlay "B" at 11.866,8.861 h1.4 r90; Top Overlay "E" at 11.858,10.495 h1.4 r90; Top Overlay "C" at 11.85,9.628 h1.4 r90